# Altium PCB praxis_top_level_pcbdoc_v3.PcbDoc (part 1 of 4) (continued)
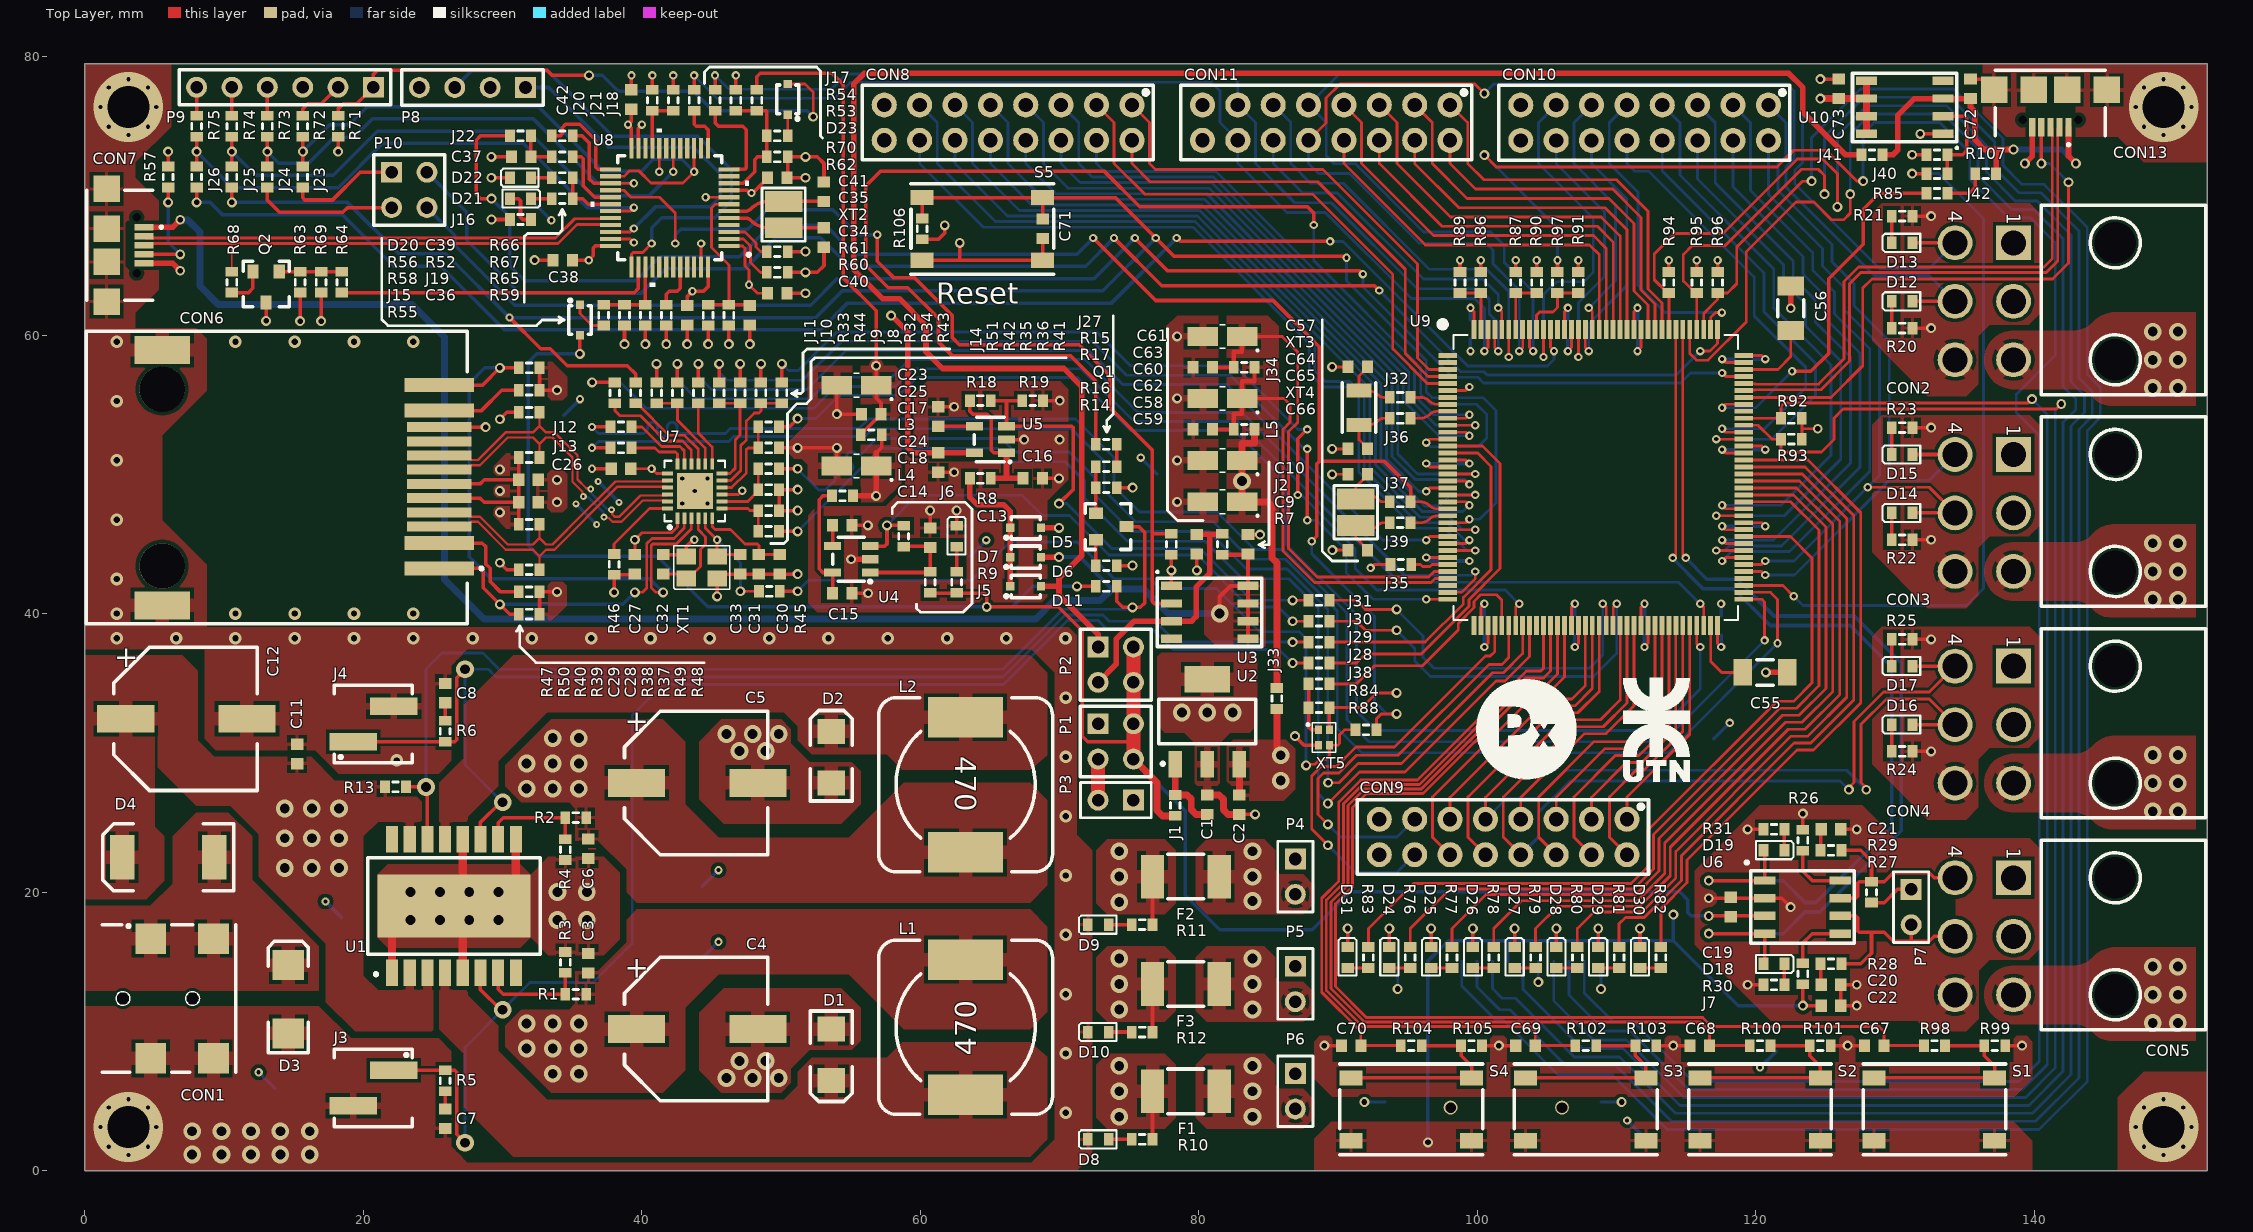
[diagram p0: Top Layer view]
## Classes and differential pairs (continued)

## Components (designator, comment, footprint, x,y, rotation, side; value= is the part's Value field where it differs from the comment)
C1 "Cap Semi" 1608[0603]#1 80.6,26.275 r270 top value=4.7uF
C2 "Cap Semi" 1608[0603]#1 82.9,26.275 r90 top value=1uF
C3 "Cap Semi" 1608[0603]#1 36.152,14.9 r90 top value=100nF
C4 "EEEFC1E471P" PCE4009CT 39.624,10.16 r0 top locked
C5 "EEEFC1E471P" PCE4009CT 39.624,27.84 r0 top locked
C6 "Cap Semi" 1608[0603]#1 36.152,23.1 r270 top value=100nF
C7 "Cap Semi" 1608[0603]#1 25.865,3.709 r90 top value=100nF
C8 "Cap Semi" 1608[0603]#1 25.865,34.291 r270 top value=100nF
C9 "Cap Semi" 1608[0603]#1 79.854,44.973 r90 top value=1uF
C10 "Cap Semi" 1608[0603]#1 83.525,44.973 r270 top value=1uF
C11 "Cap Semi" 1608[0603]#1 15.24,29.918 r90 top value=100nF
C12 "EEEFK1H221P" PCE4009CT 2.936,32.444 r0 top
C13 "Cap Semi" 1608[0603]#1 60.7,45.45 r90 top value=1uF
C14 "Cap Semi" 1608[0603]#1 54.391,46.333 r0 top value=100nF
C15 "Cap Semi" 1608[0603]#1 54.391,41.458 r0 top value=1uF
C16 "Cap Semi" 1608[0603]#1 68.062,49.705 r0 top value=1uF
C17 "Cap Semi" 1608[0603]#1 61.277,54.15 r90 top value=10nF
C18 "Cap Semi" 1608[0603]#1 61.277,50.85 r270 top value=10uF
C19 "Cap Semi" 1608[0603]#1 118.2,18.924 r270 top value=100nF
C20 "Cap Semi" 1608[0603]#1 125.397,13.342 r180 top value=100pF
C21 "Cap Semi" 1608[0603]#1 125.397,24.505 r180 top value=100pF
C22 "Cap Semi" 1608[0603]#1 125.397,11.842 r180 top value=100nF
C23 "TANT" T491A475K010AT7280 56.82,56.4 r180 top
C24 "TANT" T491A475K010AT7280 56.82,50.6 r180 top
C25 "Cap Semi" 1608[0603]#1 56.468,54.325 r0 top value=100nF
C26 "Cap Semi" 1608[0603]#1 38.5,50.4 r0 top locked value=100nF
C27 "Cap Semi" 1608[0603]#1 39.5,43.533 r90 top locked value=100nF
C28 "Cap Semi" 1608[0603]#1 31.851,48.01 r180 top locked value=100nF
C29 "Cap Semi" 1608[0603]#1 31.851,49.604 r180 top locked value=100nF
C30 "Cap Semi" 1608[0603]#1 49.9,43.533 r90 top locked value=1uF
C31 "Cap Semi" 1608[0603]#1 48.4,43.533 r90 top locked value=470pF
C32 "Cap Semi" 1608[0603]#1 41.525,43.533 r270 top value=30pF
C33 "Cap Semi" 1608[0603]#1 47.075,43.533 r90 top locked value=30pF
C34 "Cap Semi" 1608[0603]#1 53.075,67.005 r90 top value=10pF
C35 "Cap Semi" 1608[0603]#1 53.075,70.305 r270 top value=10pF
C36 "Cap Semi" 1608[0603]#1 47.75,61.433 r90 top value=100nF
C37 "Cap Semi" 1608[0603]#1 31.328,72.8 r0 top value=20pF
C38 "Cap Semi" 1608[0603]#1 34.325,65.377 r0 top value=100nF
C39 "Cap Semi" 1608[0603]#1 43.25,61.433 r90 top value=100nF
C40 "Cap Semi" 1608[0603]#1 49.717,63 r180 top value=100nF
C41 "Cap Semi" 1608[0603]#1 49.717,71.3 r180 top value=100nF
C42 "Cap Semi" 1608[0603]#1 39.25,76.917 r270 top value=100nF
C43 "Cap Semi" 1608[0603]#2 97.875,50.775 r180 bottom value=100nF
C44 "Cap Semi" 1608[0603]#2 97.875,43.775 r180 bottom value=100nF
C45 "Cap Semi" 1608[0603]#2 100.5,39.15 r270 bottom value=100nF
C46 "Cap Semi" 1608[0603]#2 107,39.15 r270 bottom value=100nF
C47 "Cap Semi" 1608[0603]#2 112,39.15 r270 bottom value=100nF
C48 "Cap Semi" 1608[0603]#2 117.5,39.15 r270 bottom value=100nF
C49 "Cap Semi" 1608[0603]#2 119.125,46.275 r0 bottom value=100nF
C50 "Cap Semi" 1608[0603]#2 119.125,51.775 r0 bottom value=100nF
C51 "Cap Semi" 1608[0603]#2 119.125,58.275 r0 bottom value=100nF
C52 "Cap Semi" 1608[0603]#2 111.5,60.4 r90 bottom value=100nF
C53 "Cap Semi" 1608[0603]#2 106.5,60.4 r90 bottom value=100nF
C54 "Cap Semi" 1608[0603]#2 99.5,60.4 r90 bottom value=100nF
C55 "CAP CER 2.2UF 10V X7R 1206" C1206C225K8RACTU 122.25,35.775 r180 top locked
C56 "CAP CER 2.2UF 10V X7R 1206" C1206C225K8RACTU 122.5,63.525 r270 top locked
C57 "Cap Semi" 1608[0603]#1 91.412,57.712 r180 top value=4.7pF
C58 "TANT" T491A475K010AT7280 83.1,51 r180 top
C59 "TANT" T491A475K010AT7280 83.1,48.025 r180 top
C60 "Tant" T491A475K010AT7280 83.1,55.45 r180 top
C61 "Tant" T491A475K010AT7280 83.1,59.9 r180 top
C62 "Cap Semi" 1608[0603]#1 80.275,53.225 r0 top value=100nF
C63 "Cap Semi" 1608[0603]#1 80.275,57.675 r0 top value=100nF
C64 "Cap Semi" 1608[0603]#1 91.412,51.828 r180 top value=4.7pF
C65 "Cap Semi" 1608[0603]#1 91.412,50 r180 top value=4.7pF
C66 "Cap Semi" 1608[0603]#1 91.412,44.555 r180 top value=4.7pF
C67 "Cap Semi" 1608[0603]#1 128.497,8.975 r0 top value=100nF
C68 "Cap Semi" 1608[0603]#1 115.973,8.975 r0 top value=100nF
C69 "Cap Semi" 1608[0603]#1 103.45,8.975 r0 top value=100nF
C70 "Cap Semi" 1608[0603]#1 90.927,8.975 r0 top value=100nF
C71 "Cap Semi" 1608[0603]#1 68.774,67.625 r90 top value=100nF
C72 "Cap Semi" 1608[0603]#1 135.41,77.685 r270 top value=10uF
C73 "Cap Semi" 1608[0603]#1 125.963,77.685 r270 top value=10uF
CON1 "PWR JACK" 694103107102 4.732,16.657 r90 top
CON2 "CONN_HEADER_RA_6POS" CONN_HEADER_RA_6POS 138.5,66.624 r270 top locked
CON3 "CONN_HEADER_RA_6POS" CONN_HEADER_RA_6POS 138.5,51.424 r270 top locked
CON4 "CONN_HEADER_RA_6POS" CONN_HEADER_RA_6POS 138.5,36.224 r270 top locked
CON5 "CONN_HEADER_RA_6POS" CONN_HEADER_RA_6POS 138.5,21.024 r270 top locked
CON6 "ARJE-0034" ARJE-0034 15.5,49.76 r90 top locked
CON7 "USB_SOHANTECH" USB_SOHANTECH 4.24,67.75 r0 top locked
CON8 "Header - 16 pins - 2.54mm pitch" PB16D-H 75.185,76.525 r180 top locked
CON9 "Header - 16 pins - 2.54mm pitch" PB16D-H 110.735,25.225 r180 top locked
CON10 "Header - 16 pins - 2.54mm pitch" PB16D-H 120.895,76.515 r180 top locked
CON11 "Header - 16 pins - 2.54mm pitch" PB16D-H 98.035,76.525 r180 top locked
CON12 "Micro SD socket" 112J-TDAR-R01 98.875,15.025 r180 bottom locked
CON13 "USB_SOHANTECH" USB_SOHANTECH 142.45,74.929 r270 top locked
D1 "SS26SHE3_A/H" SS26SHE3_A/H 53.594,10.16 r270 top
D2 "SS26SHE3_A/H" SS26SHE3_A/H 53.594,27.84 r90 top
D3 "P6SMB13CA" P6SMB13CA 14.605,9.857 r90 top
D4 "Diodo schottky" SK54L-TP 9.282,22.495 r180 top
D5 "PMEG1030EJ" PMEG1030EJ 68.662,46.155 r180 top
D6 "PMEG1030EJ" PMEG1030EJ 68.662,44.052 r180 top
D7 "LTST-C191KRKT" LTST-C191KRKT 62.6,44.8 r90 top
D8 "LTST-C191KRKT" LTST-C191KRKT 73.525,2.245 r180 top
D9 "LTST-C191KRKT" LTST-C191KRKT 73.525,17.655 r180 top
D10 "LTST-C191KRKT" LTST-C191KRKT 73.525,9.95 r180 top
D11 "PMEG1030EJ" PMEG1030EJ 68.662,41.95 r180 top
D12 "LTST-C191TGKT" LTST-C191TGKT 131.247,62.424 r180 top
D13 "LTST-C191KRKT" LTST-C191KRKT 131.247,66.624 r180 top locked
D14 "LTST-C191TGKT" LTST-C191TGKT 131.247,47.224 r180 top
D15 "LTST-C191KRKT" LTST-C191KRKT 131.247,51.424 r180 top
D16 "LTST-C191TGKT" LTST-C191TGKT 131.247,32.024 r180 top
D17 "LTST-C191KRKT" LTST-C191KRKT 131.247,36.224 r180 top
D18 "LTST-C191TGKT" LTST-C191TGKT 120.547,14.842 r0 top
D19 "LTST-C191KRKT" LTST-C191KRKT 120.547,23.005 r0 top
D20 "PMEG1030EJ" PMEG1030EJ 35.55,59.983 r90 top
D21 "LTST-C191TGKT" LTST-C191TGKT 30.531,69.8 r0 top
D22 "LTST-C191KRKT" LTST-C191KRKT 32.031,71.3 r180 top
D23 "PMEG1030EJ" PMEG1030EJ 50.467,78.03 r270 top
D24 "LTST-C191KRKT" LTST-C191KRKT 93.675,14.55 r90 top
D25 "LTST-C191KRKT" LTST-C191KRKT 96.675,14.55 r90 top
D26 "LTST-C191KRKT" LTST-C191KRKT 99.675,14.55 r90 top
D27 "LTST-C191KRKT" LTST-C191KRKT 102.675,14.55 r90 top
D28 "LTST-C191KRKT" LTST-C191KRKT 105.675,14.55 r90 top
D29 "LTST-C191KRKT" LTST-C191KRKT 108.675,14.55 r90 top
D30 "LTST-C191KRKT" LTST-C191KRKT 111.675,14.55 r90 top
D31 "LTST-C191KRKT" LTST-C191KRKT 90.675,14.55 r90 top
F1 "MINISMDC110F-2" MINISMDC110F-2 76.67,5.695 r0 top
F2 "MINISMDC110F-2" MINISMDC110F-2 76.67,21.105 r0 top
F3 "MINISMDC110F-2" MINISMDC110F-2 76.67,13.4 r0 top
J1 "JUMPER_SMD_0603" JUMPER_SMD_0603 78.3,25.475 r90 top
J2 "JUMPER_SMD_0603" JUMPER_SMD_0603 81.69,45.723 r270 top
J3 "JUMPER_SMD" JUMPER_SMD 22.182,7.2 r270 top
J4 "JUMPER_SMD" JUMPER_SMD 19.262,30.8 r90 top
J5 "JUMPER_SMD_0603" JUMPER_SMD_0603 60.7,41.5 r90 top
J6 "JUMPER_SMD_0603" JUMPER_SMD_0603 63.552,49.705 r0 top
J7 "JUMPER_SMD_0603" JUMPER_SMD_0603 123.375,13.38 r90 top
J8 "JUMPER_SMD_0603" JUMPER_SMD_0603 45.55,56.6 r270 top locked
J9 "JUMPER_SMD_0603" JUMPER_SMD_0603 44.05,56.6 r270 top locked
J10 "JUMPER_SMD_0603" JUMPER_SMD_0603 39.55,56.6 r270 top locked
J11 "JUMPER_SMD_0603" JUMPER_SMD_0603 38.05,56.6 r270 top locked
J12 "JUMPER_SMD_0603" JUMPER_SMD_0603 37.75,53.4 r0 top locked
J13 "JUMPER_SMD_0603" JUMPER_SMD_0603 37.75,51.9 r0 top locked
J14 "JUMPER_SMD_0603" JUMPER_SMD_0603 49.85,53.4 r180 top locked
J15 "JUMPER_SMD_0603" JUMPER_SMD_0603 40.25,62.183 r270 top
J16 "JUMPER_SMD_0603" JUMPER_SMD_0603 32.031,68.3 r180 top
J17 "JUMPER_SMD_0603" JUMPER_SMD_0603 45.25,76.117 r90 top
J18 "JUMPER_SMD_0603" JUMPER_SMD_0603 43.75,76.117 r90 top
J19 "JUMPER_SMD_0603" JUMPER_SMD_0603 46.25,60.683 r90 top
J20 "JUMPER_SMD_0603" JUMPER_SMD_0603 40.75,76.117 r90 top
J21 "JUMPER_SMD_0603" JUMPER_SMD_0603 42.25,77.617 r270 top
J22 "JUMPER_SMD_0603" JUMPER_SMD_0603 32.028,74.3 r180 top
J23 "JUMPER_SMD_0603" JUMPER_SMD_0603 15.64,72.1 r270 top
J24 "JUMPER_SMD_0603" JUMPER_SMD_0603 13.1,72.1 r270 top
J25 "JUMPER_SMD_0603" JUMPER_SMD_0603 10.56,72.1 r270 top
J26 "JUMPER_SMD_0603" JUMPER_SMD_0603 8.02,72.1 r270 top
J27 "JUMPER_SMD_0603" JUMPER_SMD_0603 74.1,52.15 r180 top
J28 "JUMPER_SMD_0603" JUMPER_SMD_0603 87.875,36.45 r0 top
J29 "JUMPER_SMD_0603" JUMPER_SMD_0603 87.875,37.95 r0 top
J30 "JUMPER_SMD_0603" JUMPER_SMD_0603 89.375,39.45 r180 top
J31 "JUMPER_SMD_0603" JUMPER_SMD_0603 89.375,40.95 r180 top
J32 "JUMPER_SMD_0603" JUMPER_SMD_0603 93.7,55.525 r0 top
J33 "JUMPER_SMD_0603" JUMPER_SMD_0603 85.6,33.15 r90 top
J34 "JUMPER_SMD_0603" JUMPER_SMD_0603 84,57.675 r180 top
J35 "JUMPER_SMD_0603" JUMPER_SMD_0603 93.75,43.525 r0 top
J36 "JUMPER_SMD_0603" JUMPER_SMD_0603 93.7,54.025 r0 top
J37 "JUMPER_SMD_0603" JUMPER_SMD_0603 93.7,48.025 r0 top
J38 "JUMPER_SMD_0603" JUMPER_SMD_0603 89.375,34.95 r180 top
J39 "JUMPER_SMD_0603" JUMPER_SMD_0603 93.7,46.525 r0 top
J40 "JUMPER_SMD_0603" JUMPER_SMD_0603 132.25,71.6 r0 top
J41 "JUMPER_SMD_0603" JUMPER_SMD_0603 127.587,72.95 r0 top
J42 "JUMPER_SMD_0603" JUMPER_SMD_0603 135.75,71.6 r0 top
L1 "SRR1240-470M" SRR1240-470M 63.246,5.445 r90 top
L2 "SRR1240-470M" SRR1240-470M 63.246,32.555 r270 top
L3 "GLRF1608T101M-LR" GLRF1608T101M-LR 55.718,52.825 r0 top
L4 "GLRF1608T101M-LR" GLRF1608T101M-LR 55.15,48.45 r180 top
L5 "GLRF1608T101M-LR" GLRF1608T101M-LR 84,53.225 r180 top
P1 "HEADER_2X2" HEADER_2X2 72.76,32.09 r0 top
P2 "HEADER_2X2" HEADER_2X2 72.76,37.6 r0 top
P3 "Header 2" HDR1X2 75.3,26.6 r180 top
P4 "Header 2" HDR1X2 86.925,22.375 r270 top locked
P5 "Header 2" HDR1X2 86.925,14.67 r270 top locked
P6 "Header 2" HDR1X2 86.925,6.965 r270 top locked
P7 "Header 2" HDR1X2 131.15,20.194 r270 top
P8 "HEADER_1X4" HEADER_1X4 31.64,77.78 r180 top
P9 "HEADER_1X6" HEADER_1X6 20.72,77.8 r180 top
P10 "HEADER_2X2" HEADER_2X2 22.025,71.695 r0 top
Q1 "BSR14" BSR14 72.6,47.2 r270 top
Q2 "BSR14" BSR14 13.96,64.55 r180 top locked
R1 "Res3" J1-0603 35.251,12.661 r0 top value=2.49K
R2 "Res3" J1-0603 35.251,25.339 r0 top value=4K
R3 "Res3" J1-0603 34.501,14.95 r270 top value=1K
R4 "Res3" J1-0603 34.501,23.05 r90 top value=1K
R5 "Res3" J1-0603 25.865,6.45 r90 top value=1K
R6 "Res3" J1-0603 25.865,31.55 r270 top value=1K
R7 "Res3" J1-0603 78.019,44.973 r90 top value=1K
R8 "Res3" J1-0603 58.8,45.55 r270 top value=1K
R9 "Res3" J1-0603 62.6,42.25 r270 top value=100
R10 "Res3" J1-0603 75.92,2.245 r0 top value=332
R11 "Res3" J1-0603 75.92,17.655 r0 top value=100
R12 "Res3" J1-0603 75.92,9.95 r0 top value=49.9
R13 "Res3" J1-0603 22.3,27.55 r180 top value=1K
R14 "Res3" J1-0603 73.35,41.95 r180 top value=1K
R15 "Res3" J1-0603 73.35,50.55 r0 top value=1K
R16 "Res3" J1-0603 73.35,43.45 r180 top value=1K
R17 "Res3" J1-0603 73.35,49.05 r180 top value=1K
R18 "Res3" J1-0603 64.302,55.287 r180 top value=1K
R19 "Res3" J1-0603 68.062,55.287 r0 top value=1K
R20 "Res3" J1-0603 130.497,60.5 r0 top value=50
R21 "Res3" J1-0603 130.497,68.548 r0 top locked value=50
R22 "Res3" J1-0603 130.497,45.3 r0 top value=50
R23 "Res3" J1-0603 130.497,53.348 r0 top value=50
R24 "Res3" J1-0603 130.497,30.1 r0 top value=50
R25 "Res3" J1-0603 130.497,38.148 r0 top value=50
R26 "Res3" J1-0603 123.375,23.717 r90 top value=4k7
R27 "Res3" J1-0603 128.3,19.994 r90 top value=120
R28 "Res3" J1-0603 125.397,14.842 r180 top value=100
R29 "Res3" J1-0603 125.397,22.992 r180 top value=100
R30 "Res3" J1-0603 121.297,13.342 r180 top value=50
R31 "Res3" J1-0603 121.297,24.505 r180 top value=50
R32 "Res3" J1-0603 47.05,55.85 r90 top locked value=1K5
R33 "Res3" J1-0603 41.05,55.85 r90 top locked value=10K
R34 "Res3" J1-0603 48.55,55.85 r90 top locked value=10K
R35 "Res3" J1-0603 49.1,48.9 r0 top locked value=10K
R36 "Res3" J1-0603 49.1,47.4 r0 top locked value=10K
R37 "Res3" J1-0603 31.901,43.148 r180 top locked value=50
R38 "Res3" J1-0603 31.901,46.406 r180 top locked value=50
R39 "Res3" J1-0603 31.901,51.208 r180 top locked value=50
R40 "Res3" J1-0603 31.901,54.452 r180 top locked value=50
R41 "Res3" J1-0603 49.1,45.9 r0 top locked value=33
R42 "Res3" J1-0603 49.1,50.4 r180 top value=33
R43 "Res3" J1-0603 50.05,55.85 r90 top locked value=33
R44 "Res3" J1-0603 42.55,55.85 r90 top locked value=33
R45 "Res3" J1-0603 49.15,41.6 r0 top value=100
R46 "Res3" J1-0603 38,43.533 r90 top locked value=12K1
R47 "Res3" J1-0603 31.901,57.642 r180 top locked value=10K
R48 "Res3" J1-0603 31.901,39.958 r180 top locked value=10K
R49 "Res3" J1-0603 31.901,41.553 r180 top locked value=270
R50 "Res3" J1-0603 31.901,56.047 r180 top value=270
R51 "Res3" J1-0603 49.1,51.9 r180 top locked value=10K
R52 "Res3" J1-0603 44.75,61.433 r270 top value=100K
R53 "Res3" J1-0603 48.25,76.867 r90 top value=4k7
R54 "Res3" J1-0603 46.75,76.867 r90 top value=4k7
R55 "Res3" J1-0603 41.75,61.433 r90 top value=100k
R56 "Res3" J1-0603 37.25,61.433 r270 top value=2k7
R57 "Res3" J1-0603 5.98,71.35 r270 top value=100K
R58 "Res3" J1-0603 38.75,61.433 r90 top value=4k7
R59 "Res3" J1-0603 34.275,69.8 r180 top value=100
R60 "Res3" J1-0603 49.717,64.5 r180 top value=10K
R61 "Res3" J1-0603 49.717,66 r0 top value=10K
R62 "Res3" J1-0603 49.717,72.8 r180 top value=4k7
R63 "Res3" J1-0603 15.46,63.8 r270 top value=10K
R64 "Res3" J1-0603 18.46,63.8 r270 top value=100
R65 "Res3" J1-0603 34.275,71.3 r0 top value=100
R66 "Res3" J1-0603 34.275,74.3 r180 top value=100
R67 "Res3" J1-0603 34.275,72.8 r0 top value=100
R68 "Res3" J1-0603 10.56,63.8 r90 top value=1K5
R69 "Res3" J1-0603 16.96,63.8 r90 top value=36K
R70 "Res3" J1-0603 49.717,74.3 r0 top value=100
R71 "Res3" J1-0603 18.18,75 r90 top value=10K
R72 "Res3" J1-0603 15.64,75 r90 top value=22
R73 "Res3" J1-0603 13.1,75 r90 top value=22
R74 "Res3" J1-0603 10.56,75 r90 top value=22
R75 "Res3" J1-0603 8.02,75 r90 top value=22
R76 "Res3" J1-0603 95.175,15.3 r270 top value=100
R77 "Res3" J1-0603 98.175,15.3 r270 top value=100
R78 "Res3" J1-0603 101.175,15.3 r270 top value=100
R79 "Res3" J1-0603 104.175,15.3 r270 top value=100
R80 "Res3" J1-0603 107.175,15.3 r270 top value=100
R81 "Res3" J1-0603 110.175,15.3 r270 top value=100
R82 "Res3" J1-0603 113.175,15.3 r270 top value=100
R83 "Res3" J1-0603 92.175,15.3 r270 top value=100
R84 "Pull_Up_Res" J1-0603 88.625,33.25 r0 top value=10K
R85 "Res3" J1-0603 133,70.175 r180 top value=10K
R86 "Res3" J1-0603 100.25,63.775 r90 top value=10K
R87 "Res3" J1-0603 102.75,63.775 r90 top value=10K
R88 "" J1-0603 92,31.65 r0 top value=33
R89 "Res3" J1-0603 98.75,63.775 r270 top value=10K
R90 "Res3" J1-0603 104.25,63.775 r270 top value=10K
R91 "Res3" J1-0603 107.25,63.775 r90 top value=[NA]
R92 "Res3" J1-0603 122.55,54.025 r0 top value=47k
R93 "Res3" J1-0603 122.55,52.525 r0 top value=47k
R94 "Res3" J1-0603 113.75,63.775 r90 top value=47k
R95 "Res3" J1-0603 115.75,63.775 r90 top value=47k
R96 "Res3" J1-0603 117.25,63.775 r90 top value=47k
R97 "Res3" J1-0603 105.75,63.775 r90 top value=0
R98 "Res3" J1-0603 132.822,8.975 r0 top value=10K
R99 "Res3" J1-0603 137.147,8.975 r180 top value=10K
R100 "Res3" J1-0603 120.298,8.975 r0 top value=10K
R101 "Res3" J1-0603 124.623,8.975 r180 top value=10K
R102 "Res3" J1-0603 107.775,8.975 r0 top value=10K
R103 "Res3" J1-0603 112.1,8.975 r180 top value=10K
R104 "Res3" J1-0603 95.252,8.975 r0 top value=10K
R105 "Res3" J1-0603 99.577,8.975 r180 top value=10K
R106 "Res3" J1-0603 60.124,67.625 r270 top value=10K
R107 "Res3" J1-0603 133,72.95 r0 top value=10K
S1 "Switch" TVDM04 128.497,6.653 r0 top locked
S2 "Switch" TVDM04 115.973,6.653 r0 top locked
S3 "Switch" TVDM04 103.45,6.653 r0 top locked
S4 "Switch" TVDM04 90.927,6.653 r0 top locked
S5 "Switch" TVDM04 60.124,69.875 r0 top
U1 "SPI-8001TW" SPI-8001TW-TL 26.5,19 r90 top
U2 "MCP1825S-3302E" MCP1825S-3302E 80.6,32.514 r0 top
U3 "IC PWR SWITCH N-CHAN 1:1 PDSO-8" BSP742T 78.019,41.99 r0 top locked
U4 "MIC5301-3.3YD5-TR" MIC5301-3.3YD5-TR 55.041,43.897 r180 top locked
U5 "LD3985M33R" LD3985M33R 65.032,52.496 r180 top locked value=Value
U6 "IC TRANSCEIVER 1/1 8SOIC" MCP2562 120.646,20.829 r0 top
U7 "LAN8742A-CZ" LAN8742A-CZ 43.8,48.8 r90 top locked
U8 "STM32F103CBT6" STM32F103CBT6 42,69.15 r180 top locked
U9 "STM32F746ZGT6" STM32F746ZGT6 108.5,49.775 r0 top locked
U10 "IC PWR SWITCH N-CHAN 1:1 PDSO-8" BSP742T 133.437,74.445 r180 top locked
XT1 "Crystal 25MHz" "TSX-3225 25.00MHz" 43.2,42.51 r0 top locked
XT2 "NX3225GD-8MHZ" NX3225GD-8MHZ 50.175,69.605 r270 top
XT3 "NX3215SA-32.768K-STD-MUA-8" NX3215SA-32 91.5,53.53 r90 top locked
XT4 "NX3225GD-8MHZ" NX3225GD-8MHZ 91.267,46.32 r90 top locked
XT5 "ASCO-25MHZ-EK-T3" ASCO-25.000MHZ-EK-T3 88.575,31.65 r270 top

## Footprints (in the part's own frame and the unit in brackets; to place one, negate y for a bottom-side part, rotate by r counter-clockwise, add the part's x,y. Pads: shape width x height; smd on the part's side, far side on the other; paste and mask are expansions set on the pad)
112J-TDAR-R01 [mm] "Micro SD socket"
  rect 0.7x1.6 smd mask+0.05: 1(0,0) 2(-1.1,0) 3(-2.2,0) 4(-3.3,0) 5(-4.4,0) 6(-5.5,0) 7(-6.6,0) 8(-7.7,0) 9(-8.8,0)
  rrect50% 1.2x2.2 smd mask+0.05: 10(-10,-10.1) 10(5.5,-10.1)
  rrect50% 1.2x1.4 smd mask+0.05: 10(-10,-0.5)
  rrect50% 1.6x1.4 smd mask+0.05: 10(4.6,-0.5)
  round 1 hole 0.762: NC(-7.2,-10.5) NC(0.8,-10.5)
  silkscreen extent -11,-14.9 6.4,1.03, body extent -10.3,-14.5 5.8,0.5, height 1.85
1608[0603]#1 [mm] "Chip Capacitor, Body 1.6x0.8mm, IPC High Density"
  rect 0.8x0.9 smd: 1(-0.7,0) 2(0.7,0)
  body extent -0.8,-0.4 0.8,0.4, height 0.8
1608[0603]#2 [mm] "Chip Capacitor, Body 1.6x0.8mm, IPC High Density"
  rect 0.8x0.9 smd mask+0.05: 1(-0.7,0) 2(0.7,0)
  body extent -0.8,-0.4 0.8,0.4, height 0.8
694103107102 [mm] "CONN PWR JACK 1.05X3.5MM SOLDER"
  rect 2.2x2.2 smd: 1(0,0) 1(0,-4.5) 2(-8.6,0) 3(-8.6,-4.5)
  round 1 hole 1 unplated: NC(-4.3,-3) NC(-4.3,2)
  silkscreen extent -9.6,-6.1 1,3.5, body extent -9.2,-5.8 0.6,3.5, height 5.29
ARJE-0034 [mm] "CONECTOR RJ45 MAGNETICO"
  rect 1x5 smd paste+0: 1(-6.52,-9.953) 2(-4.7,-9.953) 11(4.82,-9.953) 12(6.64,-9.953)
  rect 0.72x4.65 smd paste+0 mask+0.05: 3(-3.51,-9.953) 4(-2.49,-9.953) 5(-1.47,-9.953) 6(-0.45,-9.953) 7(0.57,-9.953) 8(1.59,-9.953) 9(2.61,-9.953) 10(3.63,-9.953)
  rect 2x4 smd: 13(9.17,9.953) 14(-9.17,9.953)
  round 3.251 hole 3.251 unplated: 15(6.35,9.953) 16(-6.35,9.953)
  silkscreen extent -10.5,-13.08 10.5,15.4, body extent -10.26,-12.04 10.4,15.24, height 16.75
ASCO-25.000MHZ-EK-T3 [mm] "CRYSTAL CLOCK OSCILLATOR 25MHZ"
  rect 0.6x0.5 smd mask+0.05: 1(0,0) 2(1.1,0) 3(1.1,0.8) 4(0,0.8)
  silkscreen extent -0.5,-0.8 1.6,1.25, body extent -0.25,-0.2 1.35,1, height 0.59
BSP742T [mm]
  rect 1.5x0.6 smd: 1(0,0) 2(0,-1.27) 3(0,-2.54) 4(0,-3.81) 5(5.5,-3.81) 6(5.5,-2.54) 7(5.5,-1.27) 8(5.5,0)
  silkscreen extent -1.04,-4.36 6.5,1.04, body extent -0.25,-4.35 5.75,0.55, height 1.69
BSR14 [mm]
  rect 0.8x1 smd: 1(0,0) 2(1.9,0) 3(0.95,2.2)
  silkscreen extent -0.7,-0.75 2.6,2.5, body extent -0.55,-0.15 2.45,2.35, height 1.07
C1206C225K8RACTU [mm] "CAP CER 2.2UF 10V X7R 1206"
  rect 1.35x1.9 smd: 1(0,0) 2(3.2,0)
  silkscreen extent 1,-0.92 2.2,0.92, body extent -0.1,-0.9 3.3,0.9, height 0.98
CONN_HEADER_RA_6POS [mm]
  rect 2.5x2.5 hole 1.8: 1(0,0)
  round 2.5 hole 1.8: 2(4.2,0) 3(8.4,0) 4(0,-4.2) 5(4.2,-4.2) 6(8.4,-4.2)
  round 0 hole 3 unplated: ""(0,7.3) ""(8.4,7.3)
  silkscreen extent -2.7,1.97 10.9,13.8, body extent -3.23,-4.7 11.07,13.73, height 11.1
GLRF1608T101M-LR [mm]
  rect 0.7x0.9 smd: 1(0,0) 2(1.5,0)
  silkscreen extent 0.55,-0.35 0.95,0.35, body extent -0.05,-0.4 1.55,0.4, height 0.79
HDR1X2 [mm] "Connector; Header; 2 Position"
  rect 1.5x1.5 hole 0.9: 1(0,0)
  round 1.5 hole 0.9: 2(2.54,0)
  silkscreen extent -1.27,-1.27 3.81,1.27
HEADER_1X4 [mm] "Connector; Header; 4 Position"
  rect 1.5x1.5 hole 0.9: 1(0,0)
  round 1.5 hole 0.9: 2(2.54,0) 3(5.08,0) 4(7.62,0)
  silkscreen extent -1.27,-1.27 8.9,1.27, body extent -1.28,-1.27 8.88,1.27, height 9.2
HEADER_1X6 [mm] "Connector; Header; 6 Position"
  rect 1.5x1.5 hole 0.9: 1(0,0)
  round 1.5 hole 0.9: 2(2.54,0) 3(5.08,0) 4(7.62,0) 5(10.16,0) 6(12.7,0)
  silkscreen extent -1.25,-1.25 13.95,1.25, body extent -1.27,-1.27 13.97,1.27, height 9.2
HEADER_2X2 [mm]
  rect 1.5x1.5 hole 0.9: 1(0,0)
  round 1.5 hole 0.9: 2(2.54,0) 3(0,-2.54) 4(2.54,-2.54)
  silkscreen extent -1.27,-3.82 3.82,1.27, body extent -1.27,-3.83 3.81,1.26, height 8.49
J1-0603 [mm] "Chip Resistor, Body 1.6x0.8mm, IPC High Density"
  rect 0.7x0.9 smd: 1(-0.75,0) 2(0.75,0)
  silkscreen extent -0.2,-0.35 0.2,0.35, body extent -0.8,-0.4 0.8,0.4, height 0.46
JUMPER_SMD [mm]
  rect 1.27x3.43 smd: 1(0,0) 2(2.54,-2.92)
  silkscreen extent -1.5,-4.26 4.04,1.34, body extent -1.27,-4.1 3.81,1.18, height 17.21
JUMPER_SMD_0603 [mm]
  rect 0.7x0.9 smd: 1(0,0) 2(1.5,0)
  silkscreen extent 0.55,-0.35 0.95,0.35, body extent -0.05,-0.4 1.55,0.4, height 0.45
LAN8742A-CZ [mm]
  rect 0.8x0.28 smd paste+0 mask+0.05: 1(-1.95,1.25) 2(-1.95,0.75) 3(-1.95,0.25) 4(-1.95,-0.25) 5(-1.95,-0.75) 6(-1.95,-1.25) 13(1.95,-1.25) 14(1.95,-0.75) 15(1.95,-0.25) 16(1.95,0.25) 17(1.95,0.75) 18(1.95,1.25)
  rect 0.28x0.8 smd paste+0 mask+0.05: 7(-1.25,-1.95) 8(-0.75,-1.95) 9(-0.25,-1.95) 10(0.25,-1.95) 11(0.75,-1.95) 12(1.25,-1.95) 19(1.25,1.95) 20(0.75,1.95) 21(0.25,1.95) 22(-0.25,1.95) 23(-0.75,1.95) 24(-1.25,1.95)
  rect 2.591x2.591 smd paste-1.283 mask+0.05: 25(0,0)
  silkscreen extent -2.7,-2.17 2.17,2.17, body extent -2.05,-2.05 2.05,2.05, height 1.39
LD3985M33R [mm]
  rect 1.2x0.6 smd: 1(-1.15,0.95) 2(-1.15,0) 3(-1.15,-0.95) 4(1.15,-0.95) 5(1.15,0.95)
  silkscreen extent -1.44,-1.6 1.15,1.65, body extent -1.5,-1.5 1.5,1.5, height 1.43
LTST-C191KRKT [mm]
  rect 0.7x0.9 smd: 1(0,0) 2(1.5,0)
  silkscreen extent -0.55,-0.65 2.15,0.65, body extent -0.1,-0.45 1.6,0.45, height 0.9
LTST-C191TGKT [mm]
  rect 0.7x0.9 smd: 1(0,0) 2(1.5,0)
  silkscreen extent -0.55,-0.65 2.15,0.65, body extent -0.1,-0.45 1.6,0.45, height 0.9
MCP1825S-3302E [mm]
  rect 0.95x1.9 smd: 1(-2.3,-3.32) 2(0,-3.32) 3(2.3,-3.32)
  rect 3.25x1.9 smd: 4(0,2.78)
  silkscreen extent -3.48,-3.4 3.48,1.33, body extent -3.35,-3.65 3.35,3.65, height 1.79
MCP2562 [mm] "IC TRANSCEIVER 1/1 8SOIC"
  rect 1.55x0.6 smd: 1(0,0) 2(0,-1.27) 3(0,-2.54) 4(0,-3.81) 5(5.4,-3.81) 6(5.4,-2.54) 7(5.4,-1.27) 8(5.4,0)
  silkscreen extent -1.4,-4.5 6.43,1.4, body extent -0.3,-4.35 5.7,0.55, height 1.58
MIC5301-3.3YD5-TR [mm]
  rect 1.2x0.6 smd: 1(-1.35,0.947) 2(-1.35,-0.003) 3(-1.35,-0.953) 4(1.35,-0.953) 5(1.35,0.947)
  silkscreen extent -1.45,-1.58 1.35,1.7, body extent -1.4,-1.45 1.4,1.45, height 0.98
MINISMDC110F-2 [mm]
  rect 1.68x3.15 smd: 1(0,0) 2(4.78,0)
  silkscreen extent 1.09,-1.6 3.69,1.6, body extent -0.01,-1.71 4.74,1.72, height 0.49
NX3215SA-32 [mm]
  rect 1x1.8 smd: 1(0,0) 2(2.5,0)
  silkscreen extent -0.52,-1.2 3.03,1.2, body extent -0.34,-0.75 2.86,0.75, height 0.79
NX3225GD-8MHZ [mm]
  rect 1.5x2.7 smd: 1(0,0) 2(1.9,0)
  silkscreen extent -0.96,-1.56 2.87,1.56, body extent -0.7,-1.29 2.6,1.3, height 0.98
P6SMB13CA [mm]
  rect 2.16x2.26 smd: 1(0,0) 2(4.9,0)
  silkscreen extent -1.4,-1.45 6.6,1.45, body extent -0.29,-1.97 5.29,1.97, height 2.47
PB16D-H [mm] "Header - 16 pins - 2.54mm pitch"
  round 1.8 hole 1.02: 1(0,0) 2(2.54,0) 3(5.08,0) 4(7.62,0) 5(10.16,0) 6(12.7,0) 7(15.24,0) 8(17.78,0) 9(17.78,2.54) 10(15.24,2.54) 11(12.7,2.54) 12(10.16,2.54) 13(7.62,2.54) 14(5.08,2.54) 15(2.54,2.54) 16(0,2.54)
  silkscreen extent -1.55,-1.41 19.35,3.95, body extent -1.4,-1.23 19.18,3.77, height 8.5
PCE4009CT [mm]
  rect 4.1x2 smd: 1(0,0) 2(8.7,0)
  silkscreen extent -0.88,-5.15 9.42,5.15, body extent -1.45,-5.15 10.15,5.15, height 10.18
PMEG1030EJ [mm]
  rect 0.6x0.6 smd: 1(0,0) 2(2.2,0)
  silkscreen extent 0.07,-0.8 2.6,0.8, body extent -0.15,-0.67 2.35,0.68, height 0.98
SK54L-TP [mil]
  rect 70x125 smd: 1(0,0) 2(260,0)
  silkscreen extent -55,-94 315,94, body extent -26,-116 286,116, height 90
SPI-8001TW-TL [mm] "SOP, 16-Leads, Body 12,20x7,50mm, Pitch 1,27mm, Thermal Pad 11,00x4,50mm, IPC Medium Density"
  rect 1.9x0.87 smd: 1(-4.8,4.445) 2(-4.8,3.175) 3(-4.8,1.905) 4(-4.8,0.635) 5(-4.8,-0.635) 6(-4.8,-1.905) 7(-4.8,-3.175) 8(-4.8,-4.445) 9(4.8,-4.445) 10(4.8,-3.175) 11(4.8,-1.905) 12(4.8,-0.635) 13(4.8,0.635) 14(4.8,1.905) 15(4.8,3.175) 16(4.8,4.445)
  rect 4.5x11 smd: 17(0,0)
  silkscreen extent -5,-6.2 3.45,6.2, body extent -5.15,-5.1 5.15,5.1, height 3.48
SRR1240-470M [mm]
  rect 2.9x5.4 smd: 1(0,0) 2(9.7,0)
  silkscreen extent -1.4,-6.25 11.1,6.25, body extent -1.4,-6.25 11.1,6.25, height 4.5
SS26SHE3_A/H [mm]
  rect 1.8x2 smd: 1(0,0) 2(3.7,0)
  silkscreen extent -1.3,-1.5 5.2,1.5, body extent -0.95,-1.4 4.55,1.4, height 2.55
STM32F103CBT6 [mm]
  rect 1.5x0.3 smd mask+0.05: 1(-4.267,2.75) 2(-4.267,2.25) 3(-4.267,1.75) 4(-4.267,1.25) 5(-4.267,0.75) 6(-4.267,0.25) 7(-4.267,-0.25) 8(-4.267,-0.75) 9(-4.267,-1.25) 10(-4.267,-1.75) 11(-4.267,-2.25) 12(-4.267,-2.75) 25(4.267,-2.75) 26(4.267,-2.25) 27(4.267,-1.75) 28(4.267,-1.25) 29(4.267,-0.75) 30(4.267,-0.25) 31(4.267,0.25) 32(4.267,0.75) 33(4.267,1.25) 34(4.267,1.75) 35(4.267,2.25) 36(4.267,2.75)
  rect 0.3x1.5 smd mask+0.05: 13(-2.75,-4.267) 14(-2.25,-4.267) 15(-1.75,-4.267) 16(-1.25,-4.267) 17(-0.75,-4.267) 18(-0.25,-4.267) 19(0.25,-4.267) 20(0.75,-4.267) 21(1.25,-4.267) 22(1.75,-4.267) 23(2.25,-4.267) 24(2.75,-4.267) 37(2.75,4.267) 38(2.25,4.267) 39(1.75,4.267) 40(1.25,4.267) 41(0.75,4.267) 42(0.25,4.267) 43(-0.25,4.267) 44(-0.75,4.267) 45(-1.25,4.267) 46(-1.75,4.267) 47(-2.25,4.267) 48(-2.75,4.267)
  silkscreen extent -5.77,-5.66 5.66,5.66, body extent -4.6,-4.6 4.6,4.6, height 1.58
STM32F746ZGT6 [mm]
  rect 1.35x0.35 smd paste+0 mask+0: 1(-10.625,8.75) 2(-10.625,8.25) 3(-10.625,7.75) 4(-10.625,7.25) 5(-10.625,6.75) 6(-10.625,6.25) 7(-10.625,5.75) 8(-10.625,5.25) 9(-10.625,4.75) 10(-10.625,4.25) 11(-10.625,3.75) 12(-10.625,3.25) 13(-10.625,2.75) 14(-10.625,2.25) 15(-10.625,1.75) 16(-10.625,1.25) 17(-10.625,0.75) 18(-10.625,0.25) 19(-10.625,-0.25) 20(-10.625,-0.75) 21(-10.625,-1.25) 22(-10.625,-1.75) 23(-10.625,-2.25) 24(-10.625,-2.75) 25(-10.625,-3.25) 26(-10.625,-3.75) 27(-10.625,-4.25) 28(-10.625,-4.75) 29(-10.625,-5.25) 30(-10.625,-5.75) 31(-10.625,-6.25) 32(-10.625,-6.75) 33(-10.625,-7.25) 34(-10.625,-7.75) 35(-10.625,-8.25) 36(-10.625,-8.75) 73(10.625,-8.75) 74(10.625,-8.25) 75(10.625,-7.75) 76(10.625,-7.25) 77(10.625,-6.75) 78(10.625,-6.25) 79(10.625,-5.75) 80(10.625,-5.25) 81(10.625,-4.75) 82(10.625,-4.25) 83(10.625,-3.75) 84(10.625,-3.25) 85(10.625,-2.75) 86(10.625,-2.25) 87(10.625,-1.75) 88(10.625,-1.25) 89(10.625,-0.75) 90(10.625,-0.25) 91(10.625,0.25) 92(10.625,0.75) 93(10.625,1.25) 94(10.625,1.75) 95(10.625,2.25) 96(10.625,2.75) 97(10.625,3.25) 98(10.625,3.75) 99(10.625,4.25) 100(10.625,4.75) 101(10.625,5.25) 102(10.625,5.75) 103(10.625,6.25) 104(10.625,6.75) 105(10.625,7.25) 106(10.625,7.75) 107(10.625,8.25) 108(10.625,8.75)
  rect 0.35x1.35 smd paste+0 mask+0: 37(-8.75,-10.625) 38(-8.25,-10.625) 39(-7.75,-10.625) 40(-7.25,-10.625) 41(-6.75,-10.625) 42(-6.25,-10.625) 43(-5.75,-10.625) 44(-5.25,-10.625) 45(-4.75,-10.625) 46(-4.25,-10.625) 47(-3.75,-10.625) 48(-3.25,-10.625) 49(-2.75,-10.625) 50(-2.25,-10.625) 51(-1.75,-10.625) 52(-1.25,-10.625) 53(-0.75,-10.625) 54(-0.25,-10.625) 55(0.25,-10.625) 56(0.75,-10.625) 57(1.25,-10.625) 58(1.75,-10.625) 59(2.25,-10.625) 60(2.75,-10.625) 61(3.25,-10.625) 62(3.75,-10.625) 63(4.25,-10.625) 64(4.75,-10.625) 65(5.25,-10.625) 66(5.75,-10.625) 67(6.25,-10.625) 68(6.75,-10.625) 69(7.25,-10.625) 70(7.75,-10.625) 71(8.25,-10.625) 72(8.75,-10.625) 109(8.75,10.625) 110(8.25,10.625) 111(7.75,10.625) 112(7.25,10.625) 113(6.75,10.625) 114(6.25,10.625) 115(5.75,10.625) 116(5.25,10.625) 117(4.75,10.625) 118(4.25,10.625) 119(3.75,10.625) 120(3.25,10.625) 121(2.75,10.625) 122(2.25,10.625) 123(1.75,10.625) 124(1.25,10.625) 125(0.75,10.625) 126(0.25,10.625) 127(-0.25,10.625) 128(-0.75,10.625) 129(-1.25,10.625) 130(-1.75,10.625) 131(-2.25,10.625) 132(-2.75,10.625) 133(-3.25,10.625) 134(-3.75,10.625) 135(-4.25,10.625) 136(-4.75,10.625) 137(-5.25,10.625) 138(-5.75,10.625) 139(-6.25,10.625) 140(-6.75,10.625) 141(-7.25,10.625) 142(-7.75,10.625) 143(-8.25,10.625) 144(-8.75,10.625)
  silkscreen extent -11.2,-10.22 10.22,11.2, body extent -11,-11 11,11, height 1.88
T491A475K010AT7280 [mm] "CAP TANT 4.7UF 10% 10V 1206"
  rect 2.2x1.35 smd: 1(0,0) 2(2.82,0)
  silkscreen extent -1.15,-0.85 1.61,1.05, body extent -0.27,-0.9 3.13,0.9, height 1.8
"TSX-3225 25.00MHz" [mm] "CRYSTAL 25MHZ EPSON"
  rect 1.4x1.15 smd mask+0.05: 1(0,0) 2(2.2,0) 3(2.2,1.6) 4(0,1.6)
  silkscreen extent -0.9,-0.75 3.1,2.35, body extent -0.5,-0.45 2.7,2.05, height 0.6
TVDM04 [mm]
  rect 1.65x1.1 smd: 1(0,0) 2(8.65,0) 3(0,-4.5) 4(8.65,-4.5)
  silkscreen extent -0.8,-5.5 9.45,1, body extent -0.17,-5.25 8.83,0.75, height 4.29
USB_SOHANTECH [mm]
  rect 1.35x0.45 smd mask+0.05: 1(0,0) 2(0,-0.65) 3(0,-1.3) 4(0,-1.95) 5(0,-2.6)
  rect 1.9x1.9 smd mask+0.05: 6(-2.675,-5.35) 6(-2.675,-2.5) 6(-2.675,-0.1) 6(-2.675,2.75)
  round 0 hole 0.6 unplated: ""(-0.525,-3.3) ""(-0.525,0.7)
  silkscreen extent -4.1,-5.25 1.35,2.65, body extent -5.46,-5.35 0.18,2.75, height 2.7

## Part data
C1 C2 C3 C6 C7 C8 C9 C10 C11 C13 C14 C15 C16 C17 C18 C19 C20 C21 C22 C25 C26 C27 C28 C29 C30 C31 C32 C33 C34 C35 C36 C37 C38 C39 C40 C41 C42 C43 C44 C45 C46 C47 C48 C49 C50 C51 C52 C53 C54 C57 C62 C63 C64 C65 C66 C67 C68 C69 C70 C71 C72 C73: "Capacitor (Semiconductor SIM Model)", LatestRevisionDate=29-May-2009, LatestRevisionNote="IPC-7351 Footprint Added.", PackageDescription="Chip Capacitor", PackageReference=C1206, Published=8-Jun-2000, Publisher="Altium Limited"
C4 C5: "CAP ALUM 470uF 20% 25V SMD", Capacitance=470uF, Case/Package=Radial, ESR (Equivalent Series Resistance)=150mR, Leakage Current=3uA, Manufacturer=Panasonic, Max Operating Temperature=105°C, Min Operating Temperature=-40°C, Package Quantity=1, Ripple Current=670mA, Tolerance=20%, Voltage=25V, Category="Aluminum Electrolytic Capacitors", Contact Plating=Tin, Diameter=10mm, Height=10.2mm, Height - Seated (Max)=0.402inch, Impedance=150mR, Lead Diameter=0.9mm, Lead Free="Lead Free", Lead Pitch=4.6mm, Length=10.5mm, Life (Hours)=1000Hour, Manufacturer Part Number=EEEFC1E471P, Material=Aluminium, Mount="Surface Mount,PCB", Packaging="Tape and Reel", Radiation Hardening=No, REACH SVHC="No SVHC", Ripple Current (AC)=670mA, Supplier 1=Digi-Key, Termination=SMD/SMT, Voltage Rating=25V, Voltage Rating (DC)=25V, Width=900um
C12: "CAP ALUM 220UF 20% 50V SMD", Capacitance=220uF, Case/Package=Radial, Dielectric Material=Aluminium, ESR (Equivalent Series Resistance)=180mR, Leakage Current=3uA, Manufacturer=Panasonic, Manufacturer Part Number=EEE-FK1H221P, Max Operating Temperature=105°C, Min Operating Temperature=-55°C, Package Quantity=500, Ripple Current=670mA, Tolerance=20%, Voltage=50V, Category="Aluminum Electrolytic Capacitors", Contact Plating=Tin, Diameter=10mm, Height=10.2mm, Height - Seated (Max)=0.413inch, Impedance=180mR, Lead Free="Lead Free", Length=10.2mm, Life (Hours)=2000Hour, Material=Aluminium, Mount="Surface Mount,PCB", Number of Pins=2, Packaging="Tape and Reel", Polarity=Polar, Radiation Hardening=No, REACH SVHC="No SVHC", Ripple Current (AC)=670mA, Supplier 1="Future Electronics", Termination=SMD/SMT, Voltage Rating=50V, Voltage Rating (DC)=50V, Width=12mm
C23 C24: library part T491A475K010AT7280, "CAP TANT 4.7UF 10% 10V 1206", Capacitance=10uF, Case Code (Imperial)=1206, Case Code (Metric)=3216, ESR (Equivalent Series Resistance)=5R, Manufacturer=KEMET, Max Operating Temperature=125°C, Min Operating Temperature=-55°C, Tolerance=10%, Voltage Rating=10V, Case/Package=1206, Category="Tantalum Capacitors", ComponentLink1Description=https://datasheet.ciiva.com/12885/kem-t2005-t491-12885625.pdf?src-supplier=Mouser, ComponentLink1URL=https://datasheet.ciiva.com/12885/kem-t2005-t491-12885625.pdf?src-supplier=Mouser, Depth=1.6mm, Height=1.8mm, Lead Free="Lead Free", Length=3.2mm, Manufacturer Part Number=T491A475K010AT7280, Packaging="Tape and Reel", Pricing 1="1=0,44000, 10=0,30800, 50=0,21520, 100=0,18450, 500=0,13838, 1000=0,11685, 2500=0,11070 (USD)", Radiation Hardening=No, RoHS=Yes, Stock 1=6630, Supplier 1=Digi-Key, Termination=SMD/SMT, Weight=0.000571oz, Width=1.6mm